# Altium PCB Kasli-DIOT.PCBDOC (part 19 of 21)
Units mm, origin at the board's own origin, x right, y up, seen from the top; angles counter-clockwise.
Board outline 222.34 x 100 mm, 10 copper layers (TopLayer, Layer 2, Layer 3, Layer 4, Layer 5, Layer 6, Layer 7, layer 8, Layer 9, BottomLayer), stack 1.564 mm thick; 974 components, 908 nets, 4662 pads, 2649 vias.
Unrouted connection lines stored in the file: 17.
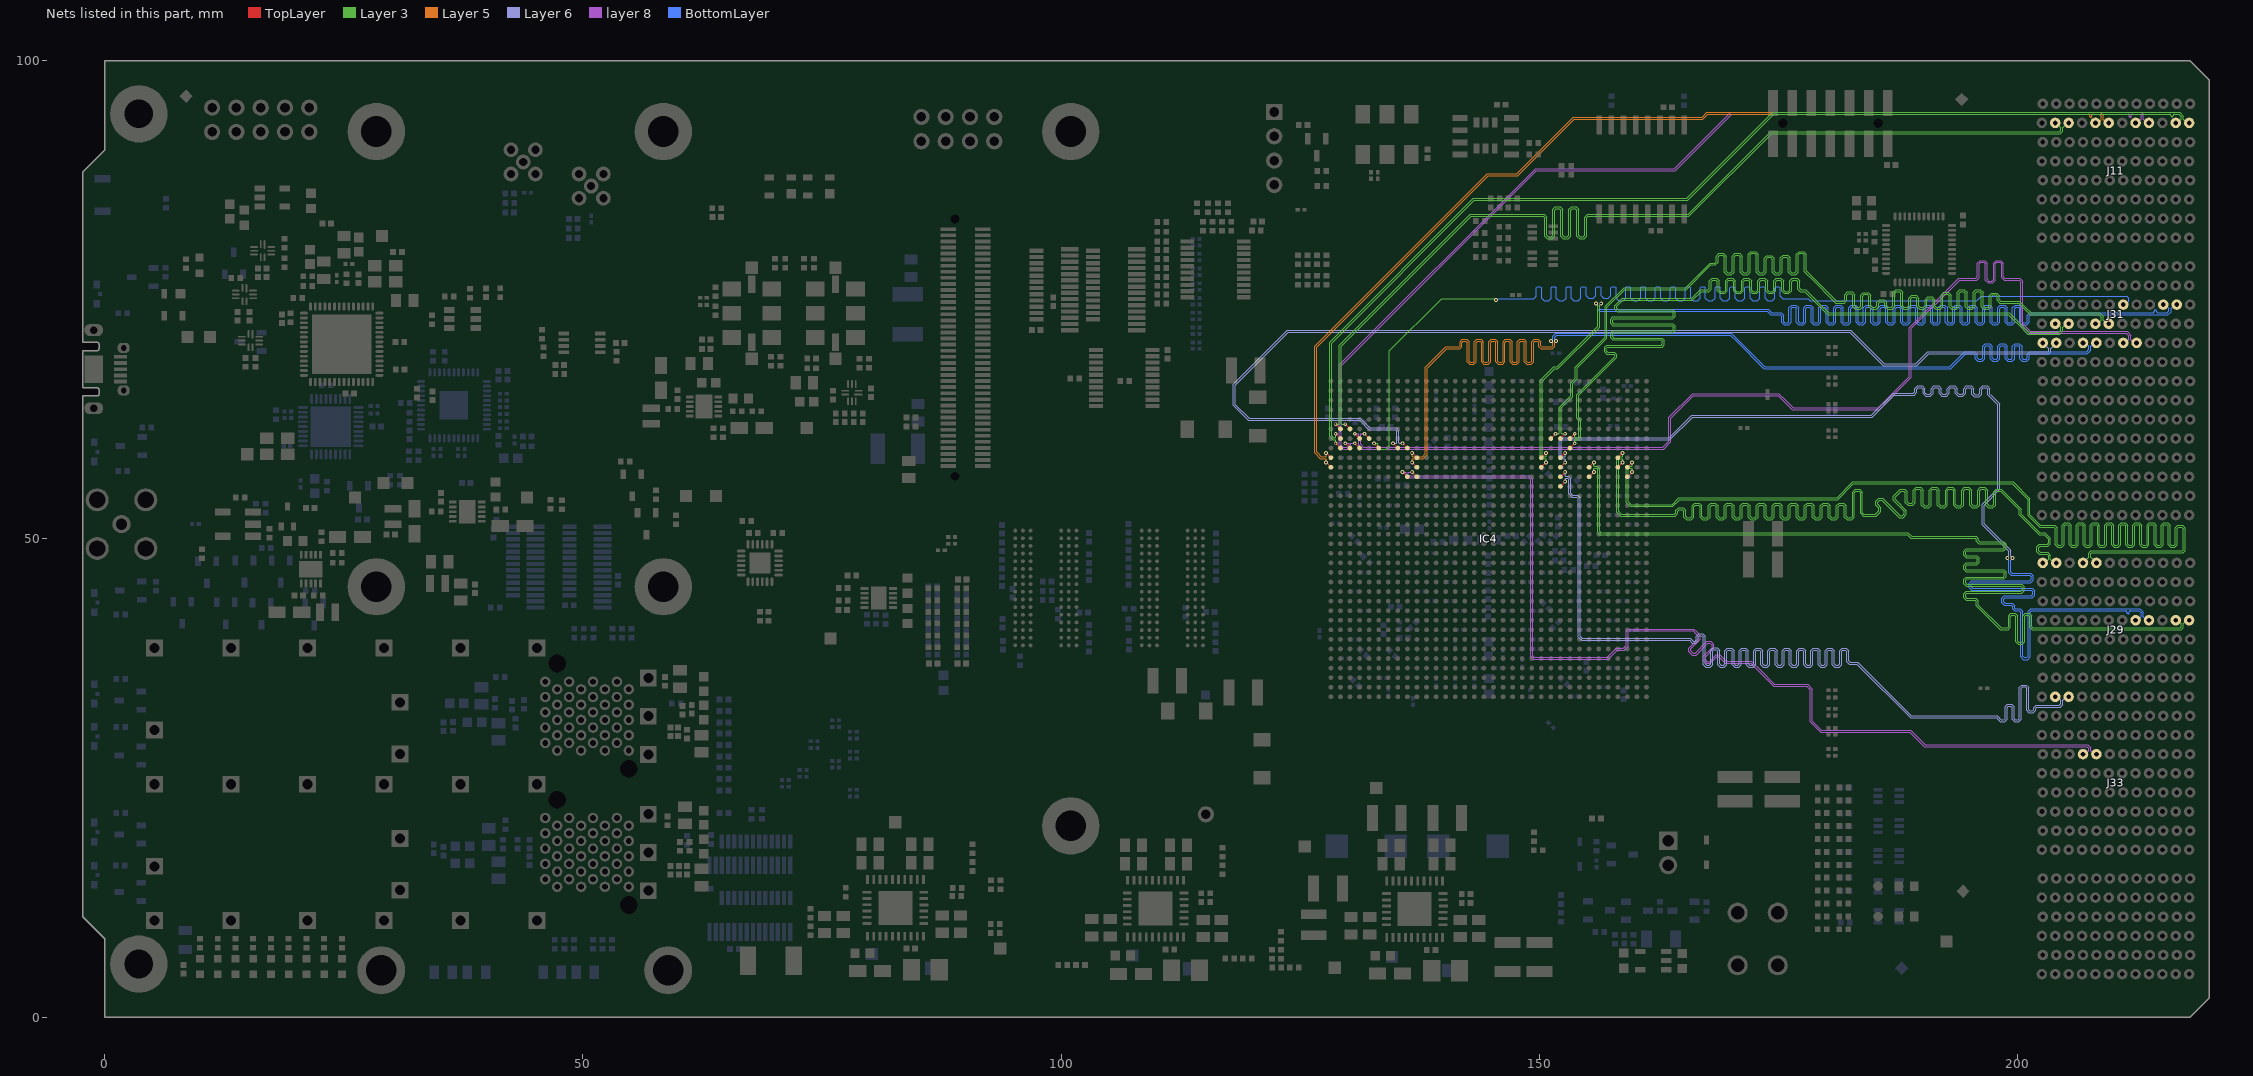
[diagram p27: the nets of this part, all layers, seen from the top]

## Via types
v1: diameter 0.4, hole 0.2, TopLayer to BottomLayer, tented both sides, 1661 vias
v2: diameter 0.5, hole 0.2, TopLayer to BottomLayer, tented both sides, 516 vias
v3: diameter 0.6, hole 0.3, TopLayer to BottomLayer, tented both sides, 175 vias
v4: diameter 0.6, hole 0.3, TopLayer to BottomLayer, 113 vias
v5: diameter 0.5, hole 0.2, TopLayer to BottomLayer, 110 vias
v6: diameter 0.4, hole 0.2, TopLayer to BottomLayer, 67 vias
v7: diameter 0.8, hole 0.5, TopLayer to BottomLayer, tented both sides, 7 vias

## Nets (pads, with @x,y where several pads share a name; then routed paths per layer and width w, separated by ;. In a path a pad name is that pad's centre, name@x,y a point inside that pad or via, vN(x,y) a via of type N, cw(c..) or ccw(c..) an arc to the next point about the centre after c; other vN are vias at no path point) (continued)
SLOT7.LVDS_8_N: IC4.G4 J31.F2 | length 109.1
  TopLayer w0.095: v1(130.7,61) IC4.G4@131.2,60.5
  layer 8 w0.075: v1(130.7,61) 131.055,61 131.099,60.956 131.099,59.8 131.501,59.398 162.986,59.398 163.744,60.155 163.744,62.646 166.097,65 174.962,65 175.757,64.205 176.438,63.524 185.54,63.524 188.9,66.884 188.9,72.011 193.946,77.057 195.548,77.057 195.728,77.057 196.006,77.335 196.006,78.751 196.165,78.91 196.484,78.91 196.643,78.751 196.643,77.047 196.92,76.77 197.406,76.77 197.684,77.047 197.684,78.751 197.843,78.91 198.162,78.91 198.321,78.751 198.321,77.335 198.598,77.057 199.591,77.057 200.157,77.057 200.351,76.864 200.351,72.366 201.216,71.5 211.375,71.5 211.638,71.237 211.638,70.849 211.288,70.5 J31.F2@211.039,70.5
SLOT7.LVDS_8_P: IC4.G5 J31.E2 | length 109.1
  TopLayer w0.095: v1(131.7,61) IC4.G5@132.2,60.5
  layer 8 w0.075: v1(131.7,61) 131.345,61 131.301,60.956 131.301,59.884 131.585,59.6 162.903,59.6 163.542,60.239 163.542,62.73 166.014,65.202 175.045,65.202 175.757,64.49 176.522,63.726 185.456,63.726 188.698,66.967 188.698,72.094 193.863,77.259 195.548,77.259 195.645,77.259 195.804,77.418 195.804,78.835 196.081,79.112 196.567,79.112 196.845,78.835 196.845,77.131 197.004,76.972 197.323,76.972 197.482,77.131 197.482,78.835 197.759,79.112 198.245,79.112 198.523,78.835 198.523,77.418 198.682,77.259 199.591,77.259 200.241,77.259 200.553,76.947 200.553,72.449 200.83,72.172 201.3,71.702 211.459,71.702 211.84,71.321 211.84,70.849 212.189,70.5 J31.E2@212.439,70.5
SLOT7.LVDS_9_N: IC4.J10 J31.I2 | length 118.8
  TopLayer w0.095: v1(136.7,59) IC4.J10@137.2,58.5
  Layer 5 w0.08: v1(136.7,59) 136.7,58.65 136.747,58.604 137.784,58.604 138.075,58.894 138.075,67.943 140.204,70.072 141.466,70.072 141.567,70.072 141.702,70.207 141.702,70.623 141.959,70.88 142.401,70.88 142.658,70.623 142.658,68.603 142.794,68.467 143.065,68.467 143.2,68.603 143.2,70.623 143.457,70.88 143.899,70.88 144.156,70.623 144.156,68.603 144.292,68.467 144.563,68.467 144.698,68.603 144.698,70.623 144.955,70.88 145.397,70.88 145.654,70.623 145.654,68.603 145.79,68.467 146.061,68.467 146.196,68.603 146.196,70.623 146.453,70.88 146.895,70.88 147.152,70.623 147.152,68.603 147.288,68.467 147.559,68.467 147.694,68.603 147.694,70.623 147.951,70.88 148.393,70.88 148.65,70.623 148.65,68.603 148.786,68.467 149.057,68.467 149.192,68.603 149.192,70.623 149.449,70.88 149.891,70.88 150.148,70.623 150.148,70.207 150.284,70.072 150.385,70.072 151.247,70.072 151.386,70.21 151.386,70.493 151.226,70.653 v1(151.226,70.7)
  BottomLayer w0.095: v1(151.226,70.7) 151.226,70.748 151.378,70.9 151.378,71.192 151.715,71.529 170.071,71.529 173.578,68.022 192.908,68.022 194.486,69.6 194.578,69.6 195.522,69.6 195.792,69.331 195.792,68.931 195.931,68.792 196.209,68.792 196.349,68.931 196.349,70.139 196.618,70.408 197.08,70.408 197.35,70.139 197.35,68.931 197.489,68.792 197.767,68.792 197.907,68.931 197.907,70.139 198.176,70.408 198.638,70.408 198.908,70.139 198.908,68.931 199.047,68.792 199.325,68.792 199.465,68.931 199.465,70.139 199.734,70.408 200.196,70.408 200.466,70.139 200.466,68.931 200.605,68.792 200.883,68.792 201.023,68.931 201.023,69.331 201.292,69.6 201.496,69.6 207.211,69.6 207.428,69.816 207.428,70.143 207.071,70.5 J31.I2@206.839,70.5
SLOT7.LVDS_9_P: IC4.K10 J31.H2 | length 119.2
  TopLayer w0.095: v1(136.7,58) IC4.K10@137.2,57.5
  Layer 5 w0.08: v1(136.7,58) 136.7,58.35 136.747,58.397 137.87,58.397 138.282,58.808 138.282,67.857 140.29,69.865 141.466,69.865 141.652,69.865 141.909,70.122 141.909,70.537 142.045,70.673 142.316,70.673 142.451,70.537 142.451,68.517 142.708,68.26 143.15,68.26 143.407,68.517 143.407,70.537 143.543,70.673 143.814,70.673 143.949,70.537 143.949,68.517 144.206,68.26 144.648,68.26 144.905,68.517 144.905,70.537 145.041,70.673 145.312,70.673 145.447,70.537 145.447,68.517 145.704,68.26 146.146,68.26 146.403,68.517 146.403,70.537 146.539,70.673 146.81,70.673 146.945,70.537 146.945,68.517 147.202,68.26 147.644,68.26 147.901,68.517 147.901,70.537 148.037,70.673 148.308,70.673 148.443,70.537 148.443,68.517 148.7,68.26 149.142,68.26 149.399,68.517 149.399,70.537 149.535,70.673 149.806,70.673 149.941,70.537 149.941,70.122 150.198,69.865 150.385,69.865 151.333,69.865 151.593,70.124 151.593,70.493 151.753,70.653 v1(151.753,70.7)
  BottomLayer w0.095: v1(151.753,70.7) 151.753,70.748 151.6,70.9 151.6,71.1 151.807,71.307 169.979,71.307 170.639,70.647 173.421,67.865 173.486,67.8 193,67.8 194.578,69.378 195.43,69.378 195.57,69.239 195.57,68.839 195.839,68.57 196.301,68.57 196.571,68.839 196.571,70.047 196.71,70.186 196.988,70.186 197.128,70.047 197.128,68.839 197.397,68.57 197.859,68.57 198.129,68.839 198.129,70.047 198.268,70.186 198.546,70.186 198.686,70.047 198.686,68.839 198.955,68.57 199.417,68.57 199.687,68.839 199.687,70.047 199.826,70.186 200.104,70.186 200.244,70.047 200.244,68.839 200.513,68.57 200.975,68.57 201.245,68.839 201.245,69.239 201.384,69.378 201.496,69.378 207.303,69.378 207.65,69.724 207.65,70.143 208.007,70.5 J31.H2@208.239,70.5
SLOT7.LVDS_10_N: IC4.H8 J31.L2 | length 113.4
  TopLayer w0.095: v1(134.7,60) IC4.H8@135.2,59.5
  Layer 6 w0.08: v1(134.7,60) 135.05,60 135.096,60.047 135.096,61.245 134.925,61.417 132.182,61.417 131.199,62.4 119.574,62.4 118.004,63.969 118.004,66.156 123.656,71.807 182.556,71.807 186.043,68.32 189.363,68.32 190.6,69.557 203.15,69.557 203.235,69.643 203.235,69.904 J31.L2@202.639,70.5
SLOT7.LVDS_10_P: IC4.H9 J31.K2 | length 113.4
  TopLayer w0.095: v1(135.7,60) IC4.H9@136.2,59.5
  Layer 6 w0.08: v1(135.7,60) 135.35,60 135.303,60.047 135.303,61.331 135.011,61.624 132.268,61.624 131.285,62.607 119.659,62.607 118.211,64.055 118.211,66.07 123.741,71.6 182.47,71.6 185.957,68.113 189.449,68.113 190.686,69.35 203.235,69.35 203.442,69.557 203.442,69.904 J31.K2@204.039,70.5
SLOT7.LVDS_11_N: IC4.G2 J11.B7 | length 111.5
  TopLayer w0.095: v1(128.7,61) IC4.G2@129.2,60.5
  Layer 3 w0.075: v1(128.7,61) 128.7,60.645 128.656,60.601 128.472,60.601 128.266,60.807 128.266,70.481 143.184,85.398 165.498,85.398 174.5,94.4 215.587,94.4 215.917,94.4 cw(c215.917,94.287) 216.029,94.297 216.033,94.255 ccw(c216.145,94.265) 216.154,94.153 ccw(c216.145,94.265) 216.257,94.275 216.256,94.278 cw(c216.369,94.287) 216.369,94.4 216.639,94.4 216.641,94.4 216.865,94.4 217.138,94.127 217.138,93.861 216.777,93.5 J11.B7@216.539,93.5
SLOT7.LVDS_11_P: IC4.H2 J11.A7 | length 112.2
  TopLayer w0.095: v1(128.7,60) IC4.H2@129.2,59.5
  Layer 3 w0.075: v1(128.7,60) 128.7,60.355 128.656,60.399 128.389,60.399 128.064,60.723 128.064,69.5 128.064,70.564 143.1,85.6 165.414,85.6 174.416,94.602 200.1,94.602 216.948,94.602 217.34,94.211 217.34,93.861 217.701,93.5 J11.A7@217.939,93.5
SLOT7.LVDS_12_N: IC4.H3 J11.E7 | length 106.8
  TopLayer w0.095: v1(129.7,60) IC4.H3@130.2,59.5
  layer 8 w0.075: v1(129.7,60) 130.055,60 130.099,59.956 130.099,59.749 129.95,59.6 129.5,59.6 129.4,59.7 129.3,59.8 129.3,68.115 149.683,88.498 164.198,88.498 170.1,94.4 211.271,94.4 211.545,94.4 cw(c211.545,94.281) 211.664,94.281 211.664,94.21 ccw(c211.782,94.21) 211.901,94.21 211.901,94.281 cw(c212.019,94.281) 212.019,94.4 212.339,94.4 212.838,94.4 212.938,94.3 212.938,93.861 212.577,93.5 J11.E7@212.339,93.5
SLOT7.LVDS_12_P: IC4.H4 J11.D7 | length 107.7
  TopLayer w0.095: v1(130.7,60) IC4.H4@131.2,59.5
  layer 8 w0.075: v1(130.7,60) 130.345,60 130.301,59.956 130.301,59.615 130.084,59.398 129.416,59.398 129.298,59.516 129.098,59.716 129.098,68.198 149.6,88.7 164.114,88.7 170.016,94.602 212.921,94.602 213.14,94.384 213.14,93.861 213.501,93.5 J11.D7@213.739,93.5
SLOT7.LVDS_13_N: IC4.J1 J11.H7 | length 106.9
  TopLayer w0.095: v1(127.7,59) IC4.J1@128.2,58.5
  Layer 5 w0.08: v1(127.7,59) 127.7,58.654 127.653,58.607 127.198,58.607 126.7,59.105 126.7,70.044 144.65,87.994 147.744,87.994 153.65,93.9 167.1,93.9 167.6,94.4 172.7,94.4 207.155,94.4 207.195,94.4 207.425,94.4 cw(c207.425,94.285) 207.54,94.285 207.54,94.207 ccw(c207.655,94.207) 207.655,94.092 ccw(c207.655,94.207) 207.77,94.207 207.77,94.285 cw(c207.885,94.285) 207.885,94.4 208.184,94.4 208.224,94.4 208.536,94.4 208.735,94.2 208.735,94.004 208.735,93.851 208.384,93.5 J11.H7@208.139,93.5
SLOT7.LVDS_13_P: IC4.K1 J11.G7 | length 107.6
  TopLayer w0.095: v1(127.7,58) IC4.K1@128.2,57.5
  Layer 5 w0.08: v1(127.7,58) 127.7,58.353 127.653,58.4 127.112,58.4 126.493,59.019 126.493,70.13 144.564,88.201 147.658,88.201 153.564,94.107 167.014,94.107 167.514,94.607 172.7,94.607 208.621,94.607 208.942,94.286 208.942,93.918 208.942,93.851 209.294,93.5 J11.G7@209.539,93.5
SLOT7.LVDS_14_N: IC4.F2 J11.K7 | length 110.9
  TopLayer w0.095: v1(128.7,62) IC4.F2@129.2,61.5
  Layer 3 w0.075: v1(128.7,62) 129.055,62 129.099,62.044 129.099,62.399 129.099,70.243 142.783,83.927 150.3,83.927 150.49,83.927 150.768,83.649 150.768,81.748 150.927,81.588 151.245,81.588 151.405,81.748 151.405,84.457 151.682,84.735 152.168,84.735 152.446,84.457 152.446,81.748 152.605,81.588 152.923,81.588 153.083,81.748 153.083,84.457 153.36,84.735 153.846,84.735 154.124,84.457 154.124,81.748 154.283,81.588 154.601,81.588 154.761,81.748 154.761,83.649 155.038,83.927 155.219,83.927 165.541,83.927 174.187,92.573 204.399,92.573 204.538,92.712 204.538,93.002 204.04,93.5 J11.K7@203.939,93.5
SLOT7.LVDS_14_P: IC4.F3 J11.J7 | length 110.9
  TopLayer w0.095: v1(129.7,62) IC4.F3@130.2,61.5
  Layer 3 w0.075: v1(129.7,62) 129.345,62 129.301,62.044 129.301,62.315 129.301,70.159 142.867,83.725 150.3,83.725 150.406,83.725 150.566,83.566 150.566,81.664 150.843,81.386 151.329,81.386 151.607,81.664 151.607,84.374 151.766,84.533 152.084,84.533 152.244,84.374 152.244,81.664 152.521,81.386 153.007,81.386 153.285,81.664 153.285,84.374 153.444,84.533 153.762,84.533 153.922,84.374 153.922,81.664 154.199,81.386 154.685,81.386 154.963,81.664 154.963,83.566 155.122,83.725 155.219,83.725 165.625,83.725 174.271,92.371 204.483,92.371 204.74,92.628 204.74,93.002 205.238,93.5 J11.J7@205.339,93.5
SLOT7.LVDS_15_N: IC4.L9 J33.I6 | length 107.8
  TopLayer w0.095: v1(135.7,57) IC4.L9@136.2,56.5
  layer 8 w0.075: v1(135.7,57) 136.055,57 136.099,56.956 136.099,56.6 136.299,56.4 148.898,56.4 149.098,56.2 149.098,37.716 149.257,37.557 149.381,37.433 157.199,37.433 158.13,38.364 158.866,38.364 159.3,38.799 159.3,40.3 159.378,40.378 166.07,40.378 166.29,40.159 166.349,40.1 166.634,39.815 166.634,39.59 165.643,38.598 165.643,38.206 165.986,37.862 166.379,37.862 167.604,39.087 167.829,39.087 168.054,38.862 168.054,38.637 167.137,37.72 167.137,37.327 167.481,36.983 167.873,36.983 168.557,37.667 168.782,37.667 168.85,37.599 169.455,36.994 172.094,36.994 172.836,36.252 174.488,34.6 177.963,34.6 178.341,34.222 178.341,30.881 179.302,29.92 179.406,29.816 188.737,29.816 189.637,28.915 190.252,28.3 207.229,28.3 207.438,28.092 207.438,27.861 207.077,27.5 J33.I6@206.839,27.5
SLOT7.LVDS_15_P: IC4.L10 J33.H6 | length 107.8
  TopLayer w0.095: v1(136.7,57) IC4.L10@137.2,56.5
  layer 8 w0.075: v1(136.7,57) 136.345,57 136.301,56.956 136.301,56.684 136.383,56.602 148.982,56.602 149.3,56.284 149.3,37.8 149.465,37.635 157.116,37.635 158.047,38.566 158.782,38.566 159.098,38.883 159.098,40.384 159.295,40.58 166.154,40.58 166.432,40.302 166.836,39.898 166.836,39.506 165.845,38.515 165.845,38.29 166.07,38.064 166.295,38.064 167.52,39.289 167.913,39.289 168.256,38.946 168.256,38.553 167.339,37.636 167.339,37.411 167.564,37.185 167.789,37.185 168.473,37.869 168.866,37.869 168.993,37.741 169.539,37.196 172.178,37.196 173.122,36.252 174.572,34.802 178.047,34.802 178.543,34.306 178.543,30.965 179.49,30.018 188.82,30.018 189.637,29.201 190.336,28.502 207.313,28.502 207.64,28.175 207.64,27.861 208.001,27.5 J33.H6@208.239,27.5
SLOT8.LVDS_0_N: IC4.K28 J29.B5 | length 116.8
  TopLayer w0.095: IC4.K28@155.2,57.5 v1(155.7,58)
  Layer 3 w0.075: v1(155.7,58) 155.7,57.645 155.744,57.601 156.061,57.601 156.3,57.362 156.3,50.781 156.418,50.662 188.537,50.662 188.912,50.288 195.652,50.288 195.904,50.037 195.904,50.025 195.904,49.848 196.038,49.714 198.572,49.714 198.824,49.461 198.824,49.025 198.572,48.773 194.706,48.773 194.572,48.638 194.572,48.37 194.706,48.236 195.744,48.236 195.996,47.983 195.996,47.547 195.744,47.295 194.706,47.295 194.572,47.16 194.572,46.892 194.706,46.758 198.572,46.758 198.824,46.505 198.824,46.069 198.572,45.817 194.706,45.817 194.572,45.682 194.572,45.414 194.706,45.28 200.432,45.28 200.684,45.027 200.684,44.591 200.432,44.339 194.706,44.339 194.572,44.204 194.572,43.936 194.706,43.802 195.651,43.802 195.904,43.549 195.904,43.369 195.904,43.075 198.278,40.7 198.825,40.7 198.922,40.7 199.056,40.834 199.056,41.956 199.309,42.209 199.745,42.209 199.997,41.956 199.997,39.311 200.132,39.177 200.4,39.177 200.534,39.311 200.534,41.956 200.787,42.209 201.223,42.209 201.475,41.956 201.475,40.834 201.61,40.7 201.975,40.7 217.023,40.7 217.138,40.815 217.138,41.139 216.777,41.5 J29.B5@216.539,41.5
SLOT8.LVDS_0_P: IC4.L28 J29.A5 | length 117.1
  TopLayer w0.095: IC4.L28@155.2,56.5 v1(155.7,57)
  Layer 3 w0.075: v1(155.7,57) 155.7,57.355 155.744,57.399 155.977,57.399 156.098,57.278 156.098,50.697 156.335,50.461 188.454,50.461 188.828,50.086 195.568,50.086 195.63,50.025 195.702,49.953 195.702,49.764 195.954,49.512 198.488,49.512 198.622,49.377 198.622,49.109 198.488,48.975 194.623,48.975 194.37,48.722 194.37,48.286 194.623,48.034 195.66,48.034 195.794,47.899 195.794,47.631 195.66,47.497 194.623,47.497 194.37,47.244 194.37,46.808 194.623,46.556 198.488,46.556 198.622,46.421 198.622,46.153 198.488,46.019 194.623,46.019 194.37,45.766 194.37,45.33 194.623,45.078 200.348,45.078 200.482,44.943 200.482,44.675 200.348,44.541 194.623,44.541 194.37,44.288 194.37,43.852 194.623,43.6 195.567,43.6 195.702,43.465 195.702,43.369 195.702,42.991 198.194,40.498 198.825,40.498 199.006,40.498 199.258,40.751 199.258,41.872 199.393,42.007 199.661,42.007 199.795,41.872 199.795,39.228 200.048,38.975 200.484,38.975 200.736,39.228 200.736,41.872 200.871,42.007 201.139,42.007 201.273,41.872 201.273,40.751 201.526,40.498 201.975,40.498 217.107,40.498 217.34,40.731 217.34,41.139 217.701,41.5 J29.A5@217.939,41.5
SLOT8.LVDS_1_N: IC4.J25 J29.E5 | length 124.1
  TopLayer w0.095: IC4.J25@152.2,58.5 v1(152.7,59)
  Layer 6 w0.08: v1(152.7,59) 152.7,58.65 152.653,58.604 152.368,58.604 152.274,58.697 152.274,60.174 152.467,60.367 163.657,60.367 166.015,62.725 184.807,62.725 187.115,65.033 189.001,65.033 189.188,65.033 189.469,65.314 189.469,65.645 189.63,65.806 189.951,65.806 190.111,65.645 190.111,65.216 190.393,64.934 190.886,64.934 191.167,65.216 191.167,65.645 191.328,65.806 191.649,65.806 191.809,65.645 191.809,65.216 192.091,64.934 192.584,64.934 192.865,65.216 192.865,65.645 193.026,65.806 193.347,65.806 193.507,65.645 193.507,65.216 193.789,64.934 194.282,64.934 194.563,65.216 194.563,65.645 194.724,65.806 195.045,65.806 195.205,65.645 195.205,65.154 195.487,64.872 195.98,64.872 196.261,65.154 196.261,65.645 196.422,65.806 196.743,65.806 196.903,65.645 196.903,65.054 197.182,64.775 197.928,64.03 197.928,55.26 196.291,53.623 196.291,51.509 199.086,48.714 199.086,48.207 198.926,48.047 v1(198.926,48)
  BottomLayer w0.095: v1(198.926,48) 198.926,47.917 199.078,47.765 199.078,47.039 199.078,46.459 199.347,46.19 201.28,46.19 201.419,46.05 201.419,45.772 201.28,45.633 195.225,45.633 194.956,45.363 194.956,44.901 195.225,44.632 201.426,44.632 201.565,44.492 201.565,44.214 201.426,44.075 198.617,44.075 198.348,43.805 198.348,43.343 198.617,43.074 199.36,43.074 199.407,43.026 199.499,42.934 199.499,42.686 199.685,42.5 199.98,42.5 200.174,42.5 200.313,42.361 200.313,37.661 200.583,37.392 201.045,37.392 201.314,37.661 201.314,42.361 201.454,42.5 201.566,42.5 211,42.5 211.305,42.5 cw(c211.305,42.372) 211.433,42.372 211.433,42.321 ccw(c211.562,42.321) 211.69,42.321 211.69,42.372 cw(c211.819,42.372) 211.819,42.5 212.025,42.5 212.688,42.5 212.928,42.26 212.928,41.857 212.571,41.5 J29.E5@212.339,41.5
SLOT8.LVDS_1_P: IC4.K25 J29.D5 | length 124.7
  TopLayer w0.095: IC4.K25@152.2,57.5 v1(152.7,58)
  Layer 6 w0.08: v1(152.7,58) 152.7,58.35 152.653,58.397 152.282,58.397 152.067,58.611 152.067,60.26 152.381,60.574 163.571,60.574 165.929,62.932 184.721,62.932 187.029,65.24 189.001,65.24 189.102,65.24 189.262,65.4 189.262,65.731 189.544,66.013 190.037,66.013 190.318,65.731 190.318,65.302 190.479,65.141 190.8,65.141 190.96,65.302 190.96,65.731 191.242,66.013 191.735,66.013 192.016,65.731 192.016,65.302 192.177,65.141 192.498,65.141 192.658,65.302 192.658,65.731 192.94,66.013 193.433,66.013 193.714,65.731 193.714,65.302 193.875,65.141 194.196,65.141 194.356,65.302 194.356,65.731 194.638,66.013 195.131,66.013 195.412,65.731 195.412,65.24 195.573,65.079 195.894,65.079 196.054,65.24 196.054,65.731 196.336,66.013 196.829,66.013 197.11,65.731 197.11,65.14 197.182,65.068 198.135,64.115 198.135,55.175 196.498,53.538 196.498,51.595 199.293,48.8 199.293,48.207 199.453,48.047 v1(199.453,48)
  BottomLayer w0.095: v1(199.453,48) 199.453,47.917 199.3,47.765 199.3,47.039 199.3,46.551 199.439,46.412 201.372,46.412 201.641,46.142 201.641,45.68 201.372,45.411 195.317,45.411 195.178,45.271 195.178,44.993 195.317,44.854 201.518,44.854 201.787,44.584 201.787,44.122 201.518,43.853 198.709,43.853 198.57,43.713 198.57,43.435 198.709,43.296 199.451,43.296 199.721,43.026 199.721,42.778 199.777,42.722 199.98,42.722 200.266,42.722 200.535,42.453 200.535,37.753 200.675,37.614 200.953,37.614 201.092,37.753 201.092,42.453 201.362,42.722 201.566,42.722 212.78,42.722 213.15,42.352 213.15,41.857 213.507,41.5 J29.D5@213.739,41.5
SLOT8.LVDS_2_N: IC4.L25 J29.K1 | length 117
  TopLayer w0.095: IC4.L25@152.2,56.5 v1(152.7,57)
  Layer 6 w0.08: v1(152.7,57) 152.7,56.621 152.747,56.574 153.015,56.574 153.274,56.315 153.274,54.802 153.502,54.574 154.019,54.574 154.274,54.319 154.274,39.826 154.5,39.6 165.793,39.6 165.893,39.499 166.08,39.313 166.271,39.313 166.407,39.448 166.407,39.845 166.664,40.102 167.106,40.102 167.363,39.845 167.363,36.929 167.498,36.794 167.769,36.794 167.905,36.929 167.905,38.375 168.162,38.632 168.604,38.632 168.861,38.375 168.861,36.929 168.996,36.794 169.267,36.794 169.403,36.929 169.403,38.335 169.66,38.592 170.102,38.592 170.359,38.335 170.359,36.929 170.494,36.794 170.765,36.794 170.901,36.929 170.901,38.335 171.158,38.592 171.6,38.592 171.857,38.335 171.857,36.929 171.992,36.794 172.263,36.794 172.399,36.929 172.399,38.335 172.656,38.592 173.098,38.592 173.355,38.335 173.355,36.929 173.49,36.794 173.761,36.794 173.897,36.929 173.897,38.335 174.154,38.592 174.596,38.592 174.853,38.335 174.853,36.929 174.988,36.794 175.259,36.794 175.395,36.929 175.395,38.335 175.652,38.592 176.094,38.592 176.351,38.335 176.351,36.929 176.486,36.794 176.757,36.794 176.893,36.929 176.893,38.335 177.15,38.592 177.592,38.592 177.849,38.335 177.849,36.929 177.984,36.794 178.255,36.794 178.391,36.929 178.391,38.335 178.648,38.592 179.09,38.592 179.347,38.335 179.347,36.929 179.482,36.794 179.753,36.794 179.889,36.929 179.889,38.335 180.146,38.592 180.588,38.592 180.845,38.335 180.845,36.929 180.98,36.794 181.251,36.794 181.387,36.929 181.387,38.335 181.644,38.592 182.086,38.592 182.343,38.335 182.343,37.25 182.478,37.114 183.064,37.114 183.278,37.114 188.893,31.5 196.953,31.5 197.889,31.5 198.145,31.243 198.145,31.222 198.281,31.087 198.552,31.087 198.687,31.222 198.687,32.451 198.944,32.708 199.387,32.708 199.643,32.451 199.643,31.222 199.779,31.087 200.05,31.087 200.185,31.222 200.185,34.474 200.442,34.731 200.885,34.731 201.141,34.474 201.141,32.151 201.277,32.015 201.548,32.015 201.683,32.151 201.683,32.343 201.94,32.6 202.22,32.6 204.381,32.6 204.535,32.754 204.535,33.149 204.184,33.5 J29.K1@203.939,33.5
SLOT8.LVDS_2_P: IC4.M25 J29.J1 | length 117.3
  TopLayer w0.095: IC4.M25@152.2,55.5 v1(152.7,56)
  Layer 6 w0.08: v1(152.7,56) 152.7,56.32 152.747,56.367 152.929,56.367 153.067,56.229 153.067,54.716 153.416,54.367 153.933,54.367 154.067,54.233 154.067,39.74 154.414,39.393 165.707,39.393 165.893,39.207 165.994,39.106 166.357,39.106 166.614,39.363 166.614,39.759 166.749,39.895 167.02,39.895 167.156,39.759 167.156,36.844 167.413,36.587 167.855,36.587 168.112,36.844 168.112,38.29 168.247,38.425 168.518,38.425 168.654,38.29 168.654,36.844 168.911,36.587 169.353,36.587 169.61,36.844 169.61,38.25 169.745,38.385 170.016,38.385 170.152,38.25 170.152,36.844 170.409,36.587 170.851,36.587 171.108,36.844 171.108,38.25 171.243,38.385 171.514,38.385 171.65,38.25 171.65,36.844 171.907,36.587 172.349,36.587 172.606,36.844 172.606,38.25 172.741,38.385 173.012,38.385 173.148,38.25 173.148,36.844 173.405,36.587 173.847,36.587 174.104,36.844 174.104,38.25 174.239,38.385 174.51,38.385 174.646,38.25 174.646,36.844 174.903,36.587 175.345,36.587 175.602,36.844 175.602,38.25 175.737,38.385 176.008,38.385 176.144,38.25 176.144,36.844 176.401,36.587 176.843,36.587 177.1,36.844 177.1,38.25 177.235,38.385 177.506,38.385 177.642,38.25 177.642,36.844 177.899,36.587 178.341,36.587 178.598,36.844 178.598,38.25 178.733,38.385 179.004,38.385 179.14,38.25 179.14,36.844 179.397,36.587 179.839,36.587 180.096,36.844 180.096,38.25 180.231,38.385 180.502,38.385 180.638,38.25 180.638,36.844 180.895,36.587 181.337,36.587 181.594,36.844 181.594,38.25 181.729,38.385 182,38.385 182.136,38.25 182.136,37.164 182.393,36.907 183.064,36.907 183.193,36.907 188.807,31.293 196.953,31.293 197.803,31.293 197.938,31.158 197.938,31.137 198.195,30.88 198.638,30.88 198.894,31.137 198.894,32.365 199.03,32.501 199.301,32.501 199.436,32.365 199.436,31.137 199.693,30.88 200.136,30.88 200.392,31.137 200.392,34.388 200.528,34.524 200.799,34.524 200.934,34.388 200.934,32.065 201.191,31.808 201.634,31.808 201.89,32.065 201.89,32.258 202.026,32.393 202.22,32.393 204.467,32.393 204.742,32.668 204.742,33.149 205.094,33.5 J29.J1@205.339,33.5
SLOT8.LVDS_3_N: IC4.K32 J29.I8 | length 119.4
  TopLayer w0.095: IC4.K32@159.2,57.5 v1(159.7,58)
  Layer 3 w0.075: v1(159.7,58) 159.7,57.645 159.656,57.601 159.312,57.601 159.098,57.387 159.098,53.801 159.501,53.398 163.951,53.398 164.677,54.124 181.207,54.124 182.839,55.756 199.445,55.756 201.093,54.109 201.093,52.435 202.292,51.236 202.639,51.236 203.792,51.236 203.926,51.101 203.926,49.38 204.179,49.128 204.615,49.128 204.867,49.38 204.867,51.376 205.001,51.511 205.27,51.511 205.404,51.376 205.404,49.38 205.657,49.128 206.093,49.128 206.345,49.38 206.345,51.376 206.479,51.511 206.748,51.511 206.882,51.376 206.882,49.38 207.135,49.128 207.571,49.128 207.823,49.38 207.823,51.376 207.957,51.511 208.226,51.511 208.36,51.376 208.36,49.38 208.613,49.128 209.049,49.128 209.301,49.38 209.301,51.376 209.435,51.511 209.704,51.511 209.838,51.376 209.838,49.38 210.091,49.128 210.527,49.128 210.779,49.38 210.779,51.376 210.913,51.511 211.182,51.511 211.316,51.376 211.316,49.38 211.569,49.128 212.005,49.128 212.257,49.38 212.257,51.376 212.391,51.511 212.66,51.511 212.794,51.376 212.794,49.38 213.047,49.128 213.483,49.128 213.735,49.38 213.735,51.376 213.869,51.511 214.138,51.511 214.272,51.376 214.272,49.38 214.525,49.128 214.961,49.128 215.213,49.38 215.213,51.376 215.347,51.511 215.616,51.511 215.75,51.376 215.75,49.38 216.003,49.128 216.439,49.128 216.691,49.38 216.691,51.101 216.825,51.236 216.922,51.236 217.16,51.236 217.34,51.056 217.34,48.846 217.235,48.742 207.665,48.742 207.438,48.514 207.438,48.099 J29.I8@206.839,47.5
SLOT8.LVDS_3_P: IC4.L32 J29.H8 | length 119.1
  TopLayer w0.095: IC4.L32@159.2,56.5 v1(159.7,57)
  Layer 3 w0.075: v1(159.7,57) 159.7,57.355 159.656,57.399 159.396,57.399 159.3,57.303 159.3,53.885 159.342,53.842 159.585,53.6 163.868,53.6 164.593,54.326 181.123,54.326 182.755,55.958 199.529,55.958 201.295,54.192 201.295,52.519 202.376,51.438 202.639,51.438 203.876,51.438 204.128,51.185 204.128,49.464 204.262,49.33 204.531,49.33 204.665,49.464 204.665,51.46 204.918,51.713 205.354,51.713 205.606,51.46 205.606,49.464 205.74,49.33 206.009,49.33 206.143,49.464 206.143,51.46 206.396,51.713 206.832,51.713 207.084,51.46 207.084,49.464 207.218,49.33 207.487,49.33 207.621,49.464 207.621,51.46 207.874,51.713 208.31,51.713 208.562,51.46 208.562,49.464 208.696,49.33 208.965,49.33 209.099,49.464 209.099,51.46 209.352,51.713 209.788,51.713 210.04,51.46 210.04,49.464 210.174,49.33 210.443,49.33 210.577,49.464 210.577,51.46 210.83,51.713 211.266,51.713 211.518,51.46 211.518,49.464 211.652,49.33 211.921,49.33 212.055,49.464 212.055,51.46 212.308,51.713 212.744,51.713 212.996,51.46 212.996,49.464 213.13,49.33 213.399,49.33 213.533,49.464 213.533,51.46 213.786,51.713 214.222,51.713 214.474,51.46 214.474,49.464 214.608,49.33 214.877,49.33 215.011,49.464 215.011,51.46 215.264,51.713 215.7,51.713 215.952,51.46 215.952,49.464 216.086,49.33 216.355,49.33 216.489,49.464 216.489,51.185 216.742,51.438 216.922,51.438 217.244,51.438 217.542,51.14 217.542,48.762 217.319,48.54 207.749,48.54 207.64,48.431 207.64,48.099 J29.H8@208.239,47.5
SLOT8.LVDS_4_N: IC4.J31 J29.L8 | length 117.4
  TopLayer w0.095: IC4.J31@158.2,58.5 v1(158.7,59)
  Layer 3 w0.075: v1(158.7,59) 158.7,58.645 158.656,58.601 158.363,58.601 158.098,58.336 158.098,52.801 158.499,52.4 164.026,52.4 164.206,52.4 164.484,52.678 164.484,52.896 164.643,53.055 164.962,53.055 165.121,52.896 165.121,52.274 165.398,51.997 165.884,51.997 166.162,52.274 166.162,53.388 166.321,53.547 166.64,53.547 166.799,53.388 166.799,52.274 167.076,51.997 167.562,51.997 167.84,52.274 167.84,53.388 167.999,53.547 168.318,53.547 168.477,53.388 168.477,52.274 168.754,51.997 169.24,51.997 169.518,52.274 169.518,53.388 169.677,53.547 169.996,53.547 170.155,53.388 170.155,52.274 170.432,51.997 170.918,51.997 171.196,52.274 171.196,53.388 171.355,53.547 171.674,53.547 171.833,53.388 171.833,52.274 172.11,51.997 172.596,51.997 172.874,52.274 172.874,53.388 173.033,53.547 173.352,53.547 173.511,53.388 173.511,52.274 173.788,51.997 174.274,51.997 174.552,52.274 174.552,53.388 174.711,53.547 175.03,53.547 175.189,53.388 175.189,52.274 175.466,51.997 175.952,51.997 176.23,52.274 176.23,53.388 176.389,53.547 176.708,53.547 176.867,53.388 176.867,52.274 177.144,51.997 177.63,51.997 177.908,52.274 177.908,53.388 178.067,53.547 178.386,53.547 178.545,53.388 178.545,52.274 178.822,51.997 179.308,51.997 179.586,52.274 179.586,53.388 179.745,53.547 180.064,53.547 180.223,53.388 180.223,52.274 180.5,51.997 180.986,51.997 181.264,52.274 181.264,53.388 181.423,53.547 181.742,53.547 181.901,53.388 181.901,52.274 182.178,51.997 182.664,51.997 182.942,52.274 182.942,54.825 183.101,54.984 183.42,54.984 183.579,54.825 183.579,52.678 183.856,52.4 184.265,52.4 185.218,52.4 185.571,52.753 185.699,52.881 185.699,53.273 185.357,53.616 185.357,53.841 185.582,54.066 185.807,54.066 187.64,52.233 188.032,52.233 188.376,52.577 188.376,52.969 187.194,54.151 187.194,54.376 187.818,55 187.93,55 188.111,55 188.27,54.841 188.27,53.792 188.547,53.514 189.033,53.514 189.311,53.792 189.311,55.02 189.47,55.179 189.789,55.179 189.948,55.02 189.948,53.549 190.225,53.272 190.711,53.272 190.989,53.549 190.989,55.02 191.148,55.179 191.467,55.179 191.626,55.02 191.626,53.549 191.903,53.272 192.389,53.272 192.667,53.549 192.667,55.02 192.826,55.179 193.145,55.179 193.304,55.02 193.304,53.549 193.581,53.272 194.067,53.272 194.345,53.549 194.345,55.02 194.504,55.179 194.823,55.179 194.982,55.02 194.982,53.549 195.259,53.272 195.745,53.272 196.023,53.549 196.023,55.02 196.182,55.179 196.501,55.179 196.66,55.02 196.66,53.549 196.937,53.272 197.423,53.272 197.701,53.549 197.701,54.841 197.86,55 197.957,55 198.23,55 200.196,53.033 200.196,52.516 202.251,50.46 202.769,50.46 203.238,49.992 203.238,49.97 203.238,49.599 203.079,49.44 202.269,49.44 201.991,49.162 201.991,48.676 202.269,48.399 203.079,48.399 203.238,48.24 203.238,48.143 203.238,47.861 202.877,47.5 J29.L8@202.639,47.5
SLOT8.LVDS_4_P: IC4.K31 J29.K8 | length 117
  TopLayer w0.095: IC4.K31@158.2,57.5 v1(158.7,58)
  Layer 3 w0.075: v1(158.7,58) 158.7,58.355 158.656,58.399 158.446,58.399 158.3,58.253 158.3,52.885 158.583,52.602 164.026,52.602 164.123,52.602 164.282,52.761 164.282,52.98 164.559,53.257 165.045,53.257 165.323,52.98 165.323,52.358 165.482,52.199 165.801,52.199 165.96,52.358 165.96,53.471 166.237,53.749 166.723,53.749 167.001,53.471 167.001,52.358 167.16,52.199 167.479,52.199 167.638,52.358 167.638,53.471 167.915,53.749 168.401,53.749 168.679,53.471 168.679,52.358 168.838,52.199 169.157,52.199 169.316,52.358 169.316,53.471 169.593,53.749 170.079,53.749 170.357,53.471 170.357,52.358 170.516,52.199 170.835,52.199 170.994,52.358 170.994,53.471 171.271,53.749 171.757,53.749 172.035,53.471 172.035,52.358 172.194,52.199 172.513,52.199 172.672,52.358 172.672,53.471 172.949,53.749 173.435,53.749 173.713,53.471 173.713,52.358 173.872,52.199 174.191,52.199 174.35,52.358 174.35,53.471 174.627,53.749 175.113,53.749 175.391,53.471 175.391,52.358 175.55,52.199 175.869,52.199 176.028,52.358 176.028,53.471 176.305,53.749 176.791,53.749 177.069,53.471 177.069,52.358 177.228,52.199 177.547,52.199 177.706,52.358 177.706,53.471 177.983,53.749 178.469,53.749 178.747,53.471 178.747,52.358 178.906,52.199 179.225,52.199 179.384,52.358 179.384,53.471 179.661,53.749 180.147,53.749 180.425,53.471 180.425,52.358 180.584,52.199 180.903,52.199 181.062,52.358 181.062,53.471 181.339,53.749 181.825,53.749 182.103,53.471 182.103,52.358 182.262,52.199 182.581,52.199 182.74,52.358 182.74,54.909 183.017,55.186 183.503,55.186 183.781,54.909 183.781,52.761 183.94,52.602 184.265,52.602 185.134,52.602 185.429,52.896 185.497,52.965 185.497,53.19 185.155,53.532 185.155,53.925 185.498,54.268 185.891,54.268 187.724,52.435 187.949,52.435 188.174,52.66 188.174,52.886 186.992,54.067 186.992,54.46 187.675,55.143 187.734,55.202 187.93,55.202 188.194,55.202 188.472,54.924 188.472,53.875 188.631,53.716 188.95,53.716 189.109,53.875 189.109,55.104 189.386,55.381 189.872,55.381 190.15,55.104 190.15,53.633 190.309,53.474 190.628,53.474 190.787,53.633 190.787,55.104 191.064,55.381 191.55,55.381 191.828,55.104 191.828,53.633 191.987,53.474 192.306,53.474 192.465,53.633 192.465,55.104 192.742,55.381 193.228,55.381 193.506,55.104 193.506,53.633 193.665,53.474 193.984,53.474 194.143,53.633 194.143,55.104 194.42,55.381 194.906,55.381 195.184,55.104 195.184,53.633 195.343,53.474 195.662,53.474 195.821,53.633 195.821,55.104 196.098,55.381 196.584,55.381 196.862,55.104 196.862,53.633 197.021,53.474 197.34,53.474 197.499,53.633 197.499,54.924 197.776,55.202 197.957,55.202 198.313,55.202 200.398,53.117 200.398,52.599 202.335,50.662 202.853,50.662 203.44,50.075 203.44,49.97 203.44,49.515 203.162,49.238 202.353,49.238 202.193,49.079 202.193,48.76 202.353,48.601 203.162,48.601 203.44,48.323 203.44,48.143 203.44,47.861 203.801,47.5 J29.K8@204.039,47.5
SLOT8.LVDS_5_N: IC4.G25 J31.H3 | length 116.2
  TopLayer w0.095: IC4.G25@152.2,60.5 v1(152.7,61)
  Layer 3 w0.075: v1(152.7,61) 152.345,61 152.301,61.044 152.301,63.701 153.464,64.864 153.464,66.264 153.946,66.746 153.946,67.876 157.069,71 157.069,74.204 158.934,76.07 165.364,76.07 167.939,78.645 168.227,78.645 168.407,78.645 168.685,78.922 168.685,79.501 168.844,79.66 169.162,79.66 169.322,79.501 169.322,77.909 169.599,77.631 170.085,77.631 170.363,77.909 170.363,79.501 170.522,79.661 170.84,79.661 171,79.501 171,77.909 171.277,77.631 171.763,77.631 172.041,77.909 172.041,79.693 172.2,79.853 172.518,79.853 172.678,79.693 172.678,77.909 172.955,77.631 173.441,77.631 173.719,77.909 173.719,79.271 173.878,79.43 174.196,79.43 174.356,79.271 174.356,77.909 174.633,77.631 175.119,77.631 175.397,77.909 175.397,79.314 175.556,79.474 175.874,79.474 176.034,79.314 176.034,77.909 176.311,77.631 176.797,77.631 177.075,77.909 177.075,79.693 177.234,79.853 177.552,79.853 177.712,79.693 177.712,77.95 178.135,77.527 178.203,77.459 181.005,74.657 181.675,74.657 181.855,74.657 182.133,74.935 182.133,75.469 182.292,75.628 182.611,75.628 182.77,75.469 182.77,74.296 183.048,74.018 183.533,74.018 183.811,74.296 183.811,75.401 183.97,75.56 184.289,75.56 184.448,75.401 184.448,74.296 184.726,74.018 185.211,74.018 185.489,74.296 185.489,74.647 185.648,74.806 185.967,74.806 186.126,74.647 186.126,74.296 186.404,74.018 186.889,74.018 187.167,74.296 187.167,75.706 187.326,75.865 187.645,75.865 187.804,75.706 187.804,74.296 188.082,74.018 188.567,74.018 188.845,74.296 188.845,75.101 189.004,75.26 189.323,75.26 189.482,75.101 189.482,74.296 189.76,74.018 190.245,74.018 190.523,74.296 190.523,74.948 190.682,75.107 191.001,75.107 191.16,74.948 191.16,74.296 191.438,74.018 191.923,74.018 192.201,74.296 192.201,75.417 192.36,75.577 192.679,75.577 192.838,75.417 192.838,74.296 193.116,74.018 193.601,74.018 193.879,74.296 193.879,75.706 194.038,75.865 194.357,75.865 194.516,75.706 194.516,74.296 194.794,74.018 195.279,74.018 195.557,74.296 195.557,75.706 195.716,75.865 196.035,75.865 196.194,75.706 196.194,74.296 196.472,74.018 196.957,74.018 197.235,74.296 197.235,75.349 197.394,75.508 197.713,75.508 197.872,75.349 197.872,74.935 198.15,74.657 198.899,74.657 200.113,74.657 200.813,73.957 201.329,73.441 208.477,73.441 208.738,73.18 208.738,72.861 208.377,72.5 J31.H3@208.139,72.5
SLOT8.LVDS_5_P: IC4.G24 J31.G3 | length 116.8
  TopLayer w0.095: IC4.G24@151.2,60.5 v1(151.7,61)
  Layer 3 w0.075: v1(151.7,61) 152.055,61 152.099,61.044 152.099,63.785 153.262,64.948 153.262,66.348 153.744,66.83 153.744,67.96 156.867,71.083 156.867,74.28 ccw(c156.461,74.633) 156.897,74.318 158.851,76.272 165.28,76.272 167.855,78.847 168.227,78.847 168.323,78.847 168.483,79.006 168.483,79.585 168.76,79.862 169.246,79.862 169.524,79.585 169.524,77.993 169.683,77.833 170.001,77.833 170.161,77.993 170.161,79.585 170.438,79.863 170.924,79.863 171.202,79.585 171.202,77.993 171.361,77.833 171.679,77.833 171.839,77.993 171.839,79.777 172.116,80.055 172.602,80.055 172.88,79.777 172.88,77.993 173.039,77.833 173.357,77.833 173.517,77.993 173.517,79.354 173.794,79.632 174.28,79.632 174.558,79.354 174.558,77.993 174.717,77.833 175.035,77.833 175.195,77.993 175.195,79.398 175.472,79.676 175.958,79.676 176.236,79.398 176.236,77.993 176.395,77.833 176.713,77.833 176.873,77.993 176.873,79.777 177.15,80.055 177.636,80.055 177.914,79.777 177.914,78.034 178.135,77.813 178.203,77.745 181.089,74.859 181.675,74.859 181.772,74.859 181.931,75.018 181.931,75.552 182.209,75.83 182.694,75.83 182.972,75.552 182.972,74.379 183.131,74.22 183.45,74.22 183.609,74.379 183.609,75.485 183.887,75.763 184.372,75.763 184.65,75.485 184.65,74.379 184.809,74.22 185.128,74.22 185.287,74.379 185.287,74.73 185.565,75.008 186.05,75.008 186.328,74.73 186.328,74.379 186.487,74.22 186.806,74.22 186.965,74.379 186.965,75.79 187.243,76.067 187.728,76.067 188.006,75.79 188.006,74.379 188.165,74.22 188.484,74.22 188.643,74.379 188.643,75.185 188.921,75.463 189.406,75.463 189.684,75.185 189.684,74.379 189.843,74.22 190.162,74.22 190.321,74.379 190.321,75.031 190.599,75.309 191.084,75.309 191.362,75.031 191.362,74.379 191.521,74.22 191.84,74.22 191.999,74.379 191.999,75.501 192.277,75.779 192.762,75.779 193.04,75.501 193.04,74.379 193.199,74.22 193.518,74.22 193.677,74.379 193.677,75.79 193.955,76.067 194.44,76.067 194.718,75.79 194.718,74.379 194.877,74.22 195.196,74.22 195.355,74.379 195.355,75.79 195.633,76.067 196.118,76.067 196.396,75.79 196.396,74.379 196.555,74.22 196.874,74.22 197.033,74.379 197.033,75.433 197.311,75.71 197.796,75.71 198.074,75.433 198.074,75.018 198.233,74.859 198.899,74.859 200.197,74.859 200.813,74.243 201.413,73.643 208.56,73.643 208.94,73.264 208.94,72.861 209.301,72.5 J31.G3@209.539,72.5
SLOT8.LVDS_6_N: IC4.G26 J31.K3 | length 117.4
  TopLayer w0.095: IC4.G26@153.2,60.5 v1(153.7,61)
  Layer 3 w0.075: v1(153.7,61) 153.7,60.645 153.744,60.601 154.056,60.601 154.1,60.645 154.1,62.4 153.9,62.6 153.9,65.086 157.812,68.998 157.896,69.082 157.896,69.197 157.762,69.331 157.066,69.331 156.813,69.584 156.813,70.02 157.066,70.272 162.737,70.272 162.871,70.407 162.871,70.675 162.737,70.809 157.697,70.809 157.444,71.062 157.444,71.498 157.697,71.75 163.887,71.75 164.021,71.885 164.021,72.153 163.887,72.287 157.697,72.287 157.444,72.54 157.444,72.976 157.697,73.228 163.887,73.228 164.021,73.363 164.021,73.631 163.887,73.765 158.149,73.765 157.896,74.018 157.896,74.198 157.896,74.397 158.648,75.15 165.919,75.15 166.818,76.048 167.527,76.048 167.624,76.048 167.783,76.208 167.783,76.979 168.061,77.256 168.547,77.256 168.824,76.979 168.824,76.029 168.984,75.87 169.302,75.87 169.461,76.029 169.461,76.979 169.739,77.256 170.225,77.256 170.502,76.979 170.502,76.029 170.662,75.87 170.98,75.87 171.139,76.029 171.139,76.979 171.417,77.256 171.903,77.256 172.18,76.979 172.18,76.029 172.34,75.87 172.658,75.87 172.817,76.029 172.817,76.979 173.095,77.256 173.581,77.256 173.858,76.979 173.858,76.029 174.018,75.87 174.336,75.87 174.495,76.029 174.495,76.979 174.773,77.256 175.259,77.256 175.536,76.979 175.536,76.029 175.696,75.87 176.014,75.87 176.173,76.029 176.173,76.979 176.451,77.256 176.937,77.256 177.214,76.979 177.214,76.208 177.374,76.048 177.712,76.048 177.83,76.048 178.675,75.203 179.378,74.5 180.235,73.643 199.12,73.643 199.763,73 200.263,72.5 201.163,71.6 204.309,71.6 204.538,71.829 204.538,72.139 204.177,72.5 J31.K3@203.939,72.5
SLOT8.LVDS_6_P: IC4.H26 J31.J3 | length 117.7
  TopLayer w0.095: IC4.H26@153.2,59.5 v1(153.7,60)
  Layer 3 w0.075: v1(153.7,60) 153.7,60.355 153.744,60.399 154.14,60.399 154.302,60.561 154.302,62.484 154.102,62.684 154.102,65.002 158.098,68.998 158.098,69.281 157.845,69.533 157.149,69.533 157.015,69.668 157.015,69.936 157.149,70.07 162.821,70.07 163.073,70.323 163.073,70.759 162.821,71.011 157.78,71.011 157.646,71.146 157.646,71.414 157.78,71.548 163.97,71.548 164.223,71.801 164.223,72.237 163.97,72.489 157.78,72.489 157.646,72.624 157.646,72.892 157.78,73.026 163.97,73.026 164.223,73.279 164.223,73.715 163.97,73.967 158.232,73.967 158.098,74.102 158.098,74.198 158.098,74.314 158.732,74.948 166.003,74.948 166.902,75.846 167.527,75.846 167.708,75.846 167.985,76.124 167.985,76.895 168.145,77.054 168.463,77.054 168.622,76.895 168.622,75.945 168.9,75.668 169.386,75.668 169.663,75.945 169.663,76.895 169.823,77.054 170.141,77.054 170.3,76.895 170.3,75.945 170.578,75.668 171.064,75.668 171.341,75.945 171.341,76.895 171.501,77.054 171.819,77.054 171.978,76.895 171.978,75.945 172.256,75.668 172.742,75.668 173.019,75.945 173.019,76.895 173.179,77.054 173.497,77.054 173.656,76.895 173.656,75.945 173.934,75.668 174.42,75.668 174.697,75.945 174.697,76.895 174.857,77.054 175.175,77.054 175.334,76.895 175.334,75.945 175.612,75.668 176.098,75.668 176.375,75.945 176.375,76.895 176.535,77.054 176.853,77.054 177.012,76.895 177.012,76.124 177.29,75.846 177.712,75.846 177.746,75.846 178.473,75.119 179.164,74.429 180.151,73.441 199.036,73.441 199.561,72.916 200.048,72.429 201.079,71.398 204.392,71.398 204.74,71.745 204.74,72.139 205.101,72.5 J31.J3@205.339,72.5
SLOT8.LVDS_7_N: IC4.J23 J31.C4 | length 135.5
  TopLayer w0.095: IC4.J23@150.2,58.5 v1(150.7,59)
  Layer 3 w0.075: v1(150.7,59) 150.7,58.645 150.656,58.601 150.393,58.601 150.3,58.694 150.3,66.5 151.601,67.801 151.939,67.801 156.299,72.161 156.299,74.426 156.461,74.589 v1(156.461,74.633)
  BottomLayer w0.095: v1(156.461,74.633) 156.461,74.577 156.309,74.424 156.309,74.091 156.378,74.022 173.928,74.022 174.058,73.892 174.303,73.647 175.023,73.647 175.268,73.647 175.538,73.378 175.538,72.733 175.677,72.593 175.955,72.593 176.095,72.733 176.095,74.186 176.364,74.455 176.826,74.455 177.096,74.186 177.096,72.733 177.235,72.593 177.513,72.593 177.653,72.733 177.653,74.186 177.922,74.455 178.384,74.455 178.654,74.186 178.654,72.733 178.793,72.593 179.071,72.593 179.211,72.733 179.211,74.186 179.48,74.455 179.942,74.455 180.212,74.186 180.212,72.733 180.351,72.593 180.629,72.593 180.769,72.733 180.769,74.186 181.038,74.455 181.5,74.455 181.77,74.186 181.77,72.733 181.909,72.593 182.187,72.593 182.327,72.733 182.327,74.186 182.596,74.455 183.058,74.455 183.328,74.186 183.328,72.733 183.467,72.593 183.745,72.593 183.885,72.733 183.885,74.186 184.154,74.455 184.616,74.455 184.886,74.186 184.886,72.733 185.025,72.593 185.303,72.593 185.443,72.733 185.443,74.186 185.712,74.455 186.174,74.455 186.444,74.186 186.444,72.733 186.583,72.593 186.861,72.593 187.001,72.733 187.001,74.186 187.27,74.455 187.732,74.455 188.002,74.186 188.002,72.733 188.141,72.593 188.419,72.593 188.559,72.733 188.559,74.186 188.828,74.455 189.29,74.455 189.56,74.186 189.56,72.733 189.699,72.593 189.977,72.593 190.117,72.733 190.117,74.186 190.386,74.455 190.848,74.455 191.118,74.186 191.118,72.733 191.257,72.593 191.535,72.593 191.675,72.733 191.675,74.186 191.944,74.455 192.406,74.455 192.676,74.186 192.676,72.733 192.815,72.593 193.093,72.593 193.233,72.733 193.233,74.186 193.502,74.455 193.964,74.455 194.234,74.186 194.234,72.733 194.373,72.593 194.651,72.593 194.791,72.733 194.791,74.186 195.06,74.455 195.522,74.455 195.792,74.186 195.792,72.733 195.931,72.593 196.209,72.593 196.349,72.733 196.349,74.186 196.618,74.455 197.08,74.455 197.35,74.186 197.35,72.733 197.489,72.593 197.767,72.593 197.907,72.733 197.907,74.186 198.176,74.455 198.638,74.455 198.908,74.186 198.908,72.733 199.047,72.593 199.325,72.593 199.465,72.733 199.465,74.186 199.734,74.455 200.196,74.455 200.466,74.186 200.466,72.733 200.605,72.593 200.883,72.593 201.023,72.733 201.023,73.378 201.292,73.647 201.496,73.647 214.092,73.647 214.139,73.647 ccw(c214.139,73.775) 214.268,73.775 214.268,73.814 cw(c214.396,73.814) 214.525,73.814 214.525,73.775 ccw(c214.653,73.775) 214.653,73.647 215.263,73.647 215.629,73.647 215.828,73.845 215.828,74.143 215.471,74.5 J31.C4@215.239,74.5
SLOT8.LVDS_7_P: IC4.K23 J31.B4 | length 136.2
  TopLayer w0.095: IC4.K23@150.2,57.5 v1(150.7,58)
  Layer 3 w0.075: v1(150.7,58) 150.7,58.355 150.656,58.399 150.309,58.399 150.098,58.61 150.098,66.584 151.517,68.003 151.855,68.003 156.097,72.245 156.097,74.426 155.934,74.589 v1(155.934,74.633)
  BottomLayer w0.095: v1(155.934,74.633) 155.934,74.577 156.087,74.424 156.087,73.999 156.286,73.8 173.836,73.8 174.211,73.425 175.023,73.425 175.176,73.425 175.316,73.286 175.316,72.641 175.585,72.371 176.047,72.371 176.317,72.641 176.317,74.094 176.456,74.233 176.734,74.233 176.874,74.094 176.874,72.641 177.143,72.371 177.605,72.371 177.875,72.641 177.875,74.094 178.014,74.233 178.292,74.233 178.432,74.094 178.432,72.641 178.701,72.371 179.163,72.371 179.433,72.641 179.433,74.094 179.572,74.233 179.85,74.233 179.99,74.094 179.99,72.641 180.259,72.371 180.721,72.371 180.991,72.641 180.991,74.094 181.13,74.233 181.408,74.233 181.548,74.094 181.548,72.641 181.817,72.371 182.279,72.371 182.549,72.641 182.549,74.094 182.688,74.233 182.966,74.233 183.106,74.094 183.106,72.641 183.375,72.371 183.837,72.371 184.107,72.641 184.107,74.094 184.246,74.233 184.524,74.233 184.664,74.094 184.664,72.641 184.933,72.371 185.395,72.371 185.665,72.641 185.665,74.094 185.804,74.233 186.082,74.233 186.222,74.094 186.222,72.641 186.491,72.371 186.953,72.371 187.223,72.641 187.223,74.094 187.362,74.233 187.64,74.233 187.78,74.094 187.78,72.641 188.049,72.371 188.511,72.371 188.781,72.641 188.781,74.094 188.92,74.233 189.198,74.233 189.338,74.094 189.338,72.641 189.607,72.371 190.069,72.371 190.339,72.641 190.339,74.094 190.478,74.233 190.756,74.233 190.896,74.094 190.896,72.641 191.165,72.371 191.627,72.371 191.897,72.641 191.897,74.094 192.036,74.233 192.314,74.233 192.454,74.094 192.454,72.641 192.723,72.371 193.185,72.371 193.455,72.641 193.455,74.094 193.594,74.233 193.872,74.233 194.012,74.094 194.012,72.641 194.281,72.371 194.743,72.371 195.013,72.641 195.013,74.094 195.152,74.233 195.43,74.233 195.57,74.094 195.57,72.641 195.839,72.371 196.301,72.371 196.571,72.641 196.571,74.094 196.71,74.233 196.988,74.233 197.128,74.094 197.128,72.641 197.397,72.371 197.859,72.371 198.129,72.641 198.129,74.094 198.268,74.233 198.546,74.233 198.686,74.094 198.686,72.641 198.955,72.371 199.417,72.371 199.687,72.641 199.687,74.094 199.826,74.233 200.104,74.233 200.244,74.094 200.244,72.641 200.513,72.371 200.975,72.371 201.245,72.641 201.245,73.286 201.384,73.425 201.496,73.425 215.721,73.425 216.05,73.753 216.05,74.143 216.407,74.5 J31.B4@216.639,74.5
SLOT8.LVDS_8_N: IC4.H6 J31.F4 | length 134.8
  TopLayer w0.095: v1(132.7,60) IC4.H6@133.2,59.5
  Layer 3 w0.075: v1(132.7,60) 133.055,60 133.099,59.956 133.099,59.6 133.301,59.398 133.984,59.398 134.3,59.714 134.3,69.667 139.767,75.134 145.26,75.134 145.422,74.971 v1(145.466,74.971)
  BottomLayer w0.095: v1(145.466,74.971) 145.522,74.971 145.674,75.124 149.084,75.124 149.108,75.1 149.2,75.1 149.404,75.1 149.674,75.369 149.674,76.255 149.813,76.394 150.092,76.394 150.231,76.255 150.231,75.182 150.5,74.913 150.962,74.913 151.232,75.182 151.232,76.255 151.371,76.394 151.65,76.394 151.789,76.255 151.789,75.182 152.058,74.913 152.521,74.913 152.79,75.182 152.79,76.255 152.929,76.394 153.208,76.394 153.347,76.255 153.347,75.182 153.616,74.913 154.079,74.913 154.348,75.182 154.348,76.255 154.487,76.394 154.766,76.394 154.905,76.255 154.905,75.449 155.174,75.18 155.637,75.18 155.906,75.449 155.906,76.255 156.045,76.394 156.324,76.394 156.463,76.255 156.463,75.449 156.732,75.18 157.195,75.18 157.464,75.449 157.464,76.255 157.603,76.394 157.882,76.394 158.021,76.255 158.021,75.182 158.29,74.913 158.753,74.913 159.022,75.182 159.022,76.255 159.161,76.394 159.44,76.394 159.579,76.255 159.579,75.182 159.848,74.913 160.311,74.913 160.58,75.182 160.58,76.255 160.719,76.394 160.998,76.394 161.137,76.255 161.137,75.182 161.406,74.913 161.869,74.913 162.138,75.182 162.138,76.255 162.277,76.394 162.556,76.394 162.695,76.255 162.695,75.182 162.964,74.913 163.427,74.913 163.696,75.182 163.696,76.255 163.835,76.394 164.114,76.394 164.253,76.255 164.253,75.182 164.522,74.913 164.985,74.913 165.254,75.182 165.254,76.255 165.393,76.394 165.672,76.394 165.811,76.255 165.811,75.182 166.08,74.913 166.543,74.913 166.812,75.182 166.812,76.255 166.951,76.394 167.23,76.394 167.369,76.255 167.369,75.182 167.638,74.913 168.101,74.913 168.37,75.182 168.37,76.255 168.509,76.394 168.788,76.394 168.927,76.255 168.927,75.182 169.196,74.913 169.659,74.913 169.928,75.182 169.928,76.255 170.067,76.394 170.346,76.394 170.485,76.255 170.485,75.182 170.754,74.913 171.217,74.913 171.486,75.182 171.486,76.255 171.625,76.394 171.904,76.394 172.043,76.255 172.043,75.182 172.312,74.913 172.775,74.913 173.044,75.182 173.044,76.255 173.183,76.394 173.462,76.394 173.601,76.255 173.601,75.182 173.87,74.913 174.333,74.913 174.602,75.182 174.602,76.255 174.741,76.394 175.02,76.394 175.159,76.255 175.159,75.369 175.428,75.1 176.341,75.1 178.086,75.1 178.258,74.928 195.728,74.928 196.2,75.4 211.401,75.4 211.628,75.174 211.628,74.857 211.271,74.5 J31.F4@211.039,74.5